# Altium PCB 控制板.PcbDoc (part 9 of 12) (continued)
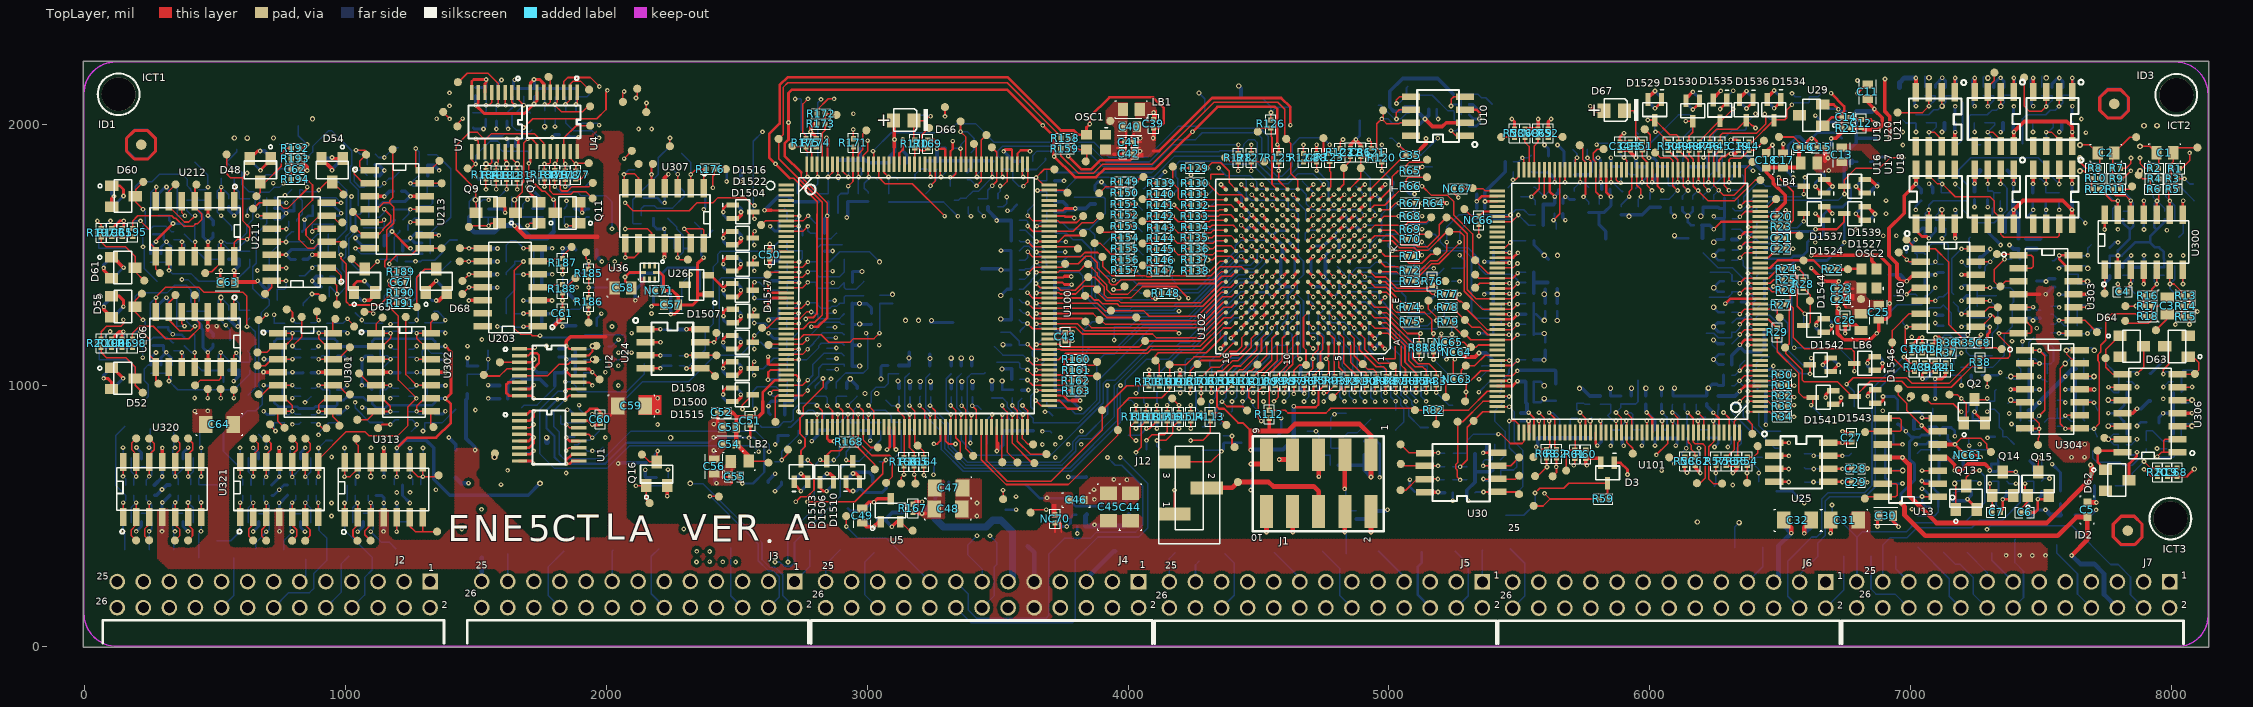
[diagram p0: TopLayer view]
## Nets (pads, with @x,y where several pads share a name; then routed paths per layer and width w, separated by ;. In a path a pad name is that pad's centre, name@x,y a point inside that pad or via, vN(x,y) a via of type N, cw(c..) or ccw(c..) an arc to the next point about the centre after c; other vN are vias at no path point) (continued)
  BottomLayer w6: C287.1@4275.3,1481.3 4310.1,1481.3 pad.211@4318.4,1473
  other v3: 4304.9,1481.9
U102-J16_0: C286.1 R138.2 U102.J16 | length 146.4
  TopLayer w6: R138.2@4274.2,1440.5 4316.3,1440.5 4352.26,1476.46 U102.J16@4374.95,1476.46
  BottomLayer w6: C286.1@4275.3,1439.6 4304.8,1439.6 v1(4305.7,1440.5)
U102-K1_0: pad.211@5184.9,1514.8 R71.2 U102.K1 | length 267.1
  TopLayer w6: U102.K1@4965.5,1515.83 4966.17,1515.83 4986.5,1495.5 R71.2@5066.4,1495.5 5066.4,1479.5 5076.9,1469 5126.3,1469 5160.5,1503.2 5173.3,1503.2 pad.211@5184.9,1514.8
U102-K2_0: pad.178@5177.1,1579 R420.1 U101.108 U102.K2 | length 821.3
  TopLayer w6: U102.K2@4926.13,1515.83 v1(4946.5,1535) ; U101.108@5415.2,1372.04 5474.74,1372.04 v1(5494,1391.3)
  BottomLayer w6: v1(4946.5,1535) 4991.5,1580 5175.7,1580 5196.9,1558.8 5196.9,1550.5 5218.6,1528.8 5302.3,1528.8 5346.5,1484.6 5346.5,1450.9 5371.1,1426.3 5471.1,1426.3 5494,1403.4 5494,1392.9 5496.1,1395 R420.1@5525.3,1395
U102-K3_0: pad.195@5350.3,1305 R427.2 U101.111 U102.K3 | length 861.9
  TopLayer w6: U102.K3@4886.76,1515.83 v1(4907.6,1535) ; U101.111@5415.2,1312.99 v1(5462.1,1313)
  MidLayer2 w6: v1(4907.6,1535) 4912,1535 4934,1513 4954.6,1513 5138.4,1329.2 5205.5,1329.2 5221.7,1313 v1(5462.1,1313)
  BottomLayer w6: pad.195@5350.3,1305 5365.7,1289.6 5425.3,1289.6 5431.5,1295.8 R427.2@5431.5,1314.6 5460.5,1314.6 v1(5462.1,1313)
U102-K4_0: C8.1 pad.285@7349.9,1140 R35.1 U102.K4 | length 3036.7
  TopLayer w6: U102.K4@4847.39,1515.83 v1(4867.6,1535.3) ; R35.1@7225.7,1165 C8.1@7264,1165 ; v1(7270.3,1195) 7264,1188.7 7264,1151.7 7270.2,1145.5 7329.4,1145.5 7334.9,1140 pad.285@7349.9,1140
  MidLayer2 w6: v1(4867.6,1535.3) 4890.6,1512.3 4914.5,1512.3 4926.1,1500.7 4926.1,1490.5 5095.9,1320.7 5095.9,1288.1 5116.5,1267.5 5398.2,1267.5 5451.1,1214.6 6042.4,1214.6 6175.3,1081.7 6448.2,1081.7 6492,1125.5 6885,1125.5 7000.9,1009.6 7127.4,1009.6 7161.2,1043.4 7246.9,1043.4 7270.3,1066.8 v1(7270.3,1195)
U102-K5_0: pad.364 R371.1 U102.K5 | length 1952.2
  TopLayer w6: U102.K5@4808.02,1515.83 v1(4828.4,1535.3)
  MidLayer2 w6: v1(4828.4,1535.3) 4849.6,1514.1 4849.6,1484.7 4867.2,1467.1 4914.5,1467.1 5072.1,1309.5 5072.1,1224.2 5131.3,1165 5948.3,1165 6116.5,996.8 6116.5,834.9 6189,762.4 v1(6189,759.4)
  BottomLayer w6: pad.364@6183.8,724.8 6189,730 v1(6189,759.4) 6184,764.4 R371.1@6184,798.8
U102-K6_0: pad.257@5778.6,878.4 R376.2 U101.147 U102.K6 | length 1514.4
  TopLayer w6: U102.K6@4768.65,1515.83 v1(4789.4,1535) ; v3(5771.9,864.6) 5773.74,862.76 U101.147@5773.74,819.9
  MidLayer2 w6: v1(4789.4,1535) 4767.4,1513 4767.4,1471 4808,1430.4 4808,1410.7 4823.9,1394.8 4837.8,1394.8 4845.7,1386.9 4845.7,1374.2 4860.7,1359.2 4874.7,1359.2 4887.1,1346.8 4887.1,1329 4900.4,1315.7 4914.6,1315.7 4971.5,1258.8 4971.5,1224.6 5113.1,1083 5388.2,1083 5432,1039.2 5618.6,1039.2 5771.9,885.9 v3(5771.9,864.6)
  BottomLayer w6: R376.2@5774.9,830 5774.9,874.7 pad.257@5778.6,878.4
U102-K11_0: pad.212@4104.4,1384.6 R470.1 U102.K11 | length 688.2
  TopLayer w6: v1(4552.8,1535.5) U102.K11@4571.8,1515.83
  BottomLayer w6: R470.1@4004.4,1403.4 4019.4,1403.4 4038.2,1384.6 4152.8,1384.6 4168.2,1369.2 4265.7,1369.2 4411.5,1515 4411.5,1535.8 4432,1556.3 4532,1556.3 v1(4552.8,1535.5)
U102-K12_0: pad.115@3881.1,1245 R161.1 U102.K12 | length 1052.5
  TopLayer w6: R161.1@3817.4,1058.4 3843.4,1058.4 v1(3843.8,1058) ; v1(4513.2,1535.3) U102.K12@4532.43,1515.83
  BottomLayer w6: v1(3843.8,1058) 3842.7,1058 3826.3,1074.4 3826.3,1208.8 3862.5,1245 3880.6,1245 3892.3,1256.7 4022.4,1256.7 4030.1,1264.4 4230.3,1264.4 4427,1461.1 4469.2,1461.1 4495.7,1487.6 4495.7,1517.8 v1(4513.2,1535.3)
U102-K13_0: pad.214@4151.5,1346.7 R469.1 U102.K13 | length 577.1
  TopLayer w6: v1(4473.8,1535) U102.K13@4493.06,1515.83
  BottomLayer w6: R469.1@4009.4,1365 4036.2,1365 4046.6,1354.6 4119.1,1354.6 4127,1346.7 4177.3,1346.7 4185.6,1355 4269,1355 4429.5,1515.5 4454.3,1515.5 v1(4473.8,1535)
U102-K14_0: C305.2 pad.213@4182.1,1394.8 R147.2 U102.K14 | length 458.5
  TopLayer w6: R147.2@4141.3,1440.3 4166.1,1440.3 v1(4168.6,1437.8) ; v1(4434.4,1534.8) U102.K14@4453.69,1515.83
  MidLayer2 w6: v1(4168.6,1437.8) 4194.3,1412.1 4235.2,1412.1 4281.9,1458.8 4337.8,1458.8 4413.8,1534.8 v1(4434.4,1534.8)
  BottomLayer w6: C305.2@4142.3,1440 4166.4,1440 4169.9,1436.5 4169.9,1407 pad.213@4182.1,1394.8
U102-K15_0: C288.1 pad.210@4317.1,1523 R136.2 U102.K15 | length 198.5
  TopLayer w6: R136.2@4273.1,1524.2 4325.5,1524.2 4337,1535.7 4394.45,1535.7 U102.K15@4414.32,1515.83
  BottomLayer w6: C288.1@4273,1523.4 4316.7,1523.4 pad.210@4317.1,1523
  other v3: 4301.9,1524
U102-K16_0: C307.2 R145.2 U102.K16 | length 276.3
  TopLayer w6: R145.2@4141.3,1522.1 4171.6,1522.1 4191.6,1502.1 4325.4,1502.1 4339.13,1515.83 U102.K16@4374.95,1515.83
  BottomLayer w6: C307.2@4142.7,1521.5 4170.5,1521.5 v1(4171.1,1522.1)
U102-L1_0: pad.209@5231.5,1590 R418.1 U101.112 U102.L1 | length 859.9
  TopLayer w6: U102.L1@4965.5,1555.2 5013.5,1555.2 5040.3,1528.4 5097.3,1528.4 5107.5,1518.2 5150.5,1518.2 5222.3,1590 5272.2,1590 5289,1573.2 5289,1361.9 5357.6,1293.3 5474.6,1293.3 v1(5493.4,1312.1)
  BottomLayer w6: v1(5493.4,1312.1) 5495.7,1314.4 R418.1@5524.9,1314.4
U102-L2_0: pad.207@5221.1,1644.6 R419.1 U101.110 U102.L2 | length 956.9
  TopLayer w6: U102.L2@4926.13,1555.2 4945.53,1574.6 5013.4,1574.6 5048,1540 5103.6,1540 5111.1,1532.5 5148,1532.5 5193,1577.5 5193,1616.5 5219.7,1643.2 5239.2,1643.2 5300.3,1582.1 5300.3,1366.9 5334.53,1332.67 5474.37,1332.67 v1(5493.4,1351.7)
  BottomLayer w6: v1(5493.4,1351.7) 5495.7,1354 R419.1@5525.3,1354
U102-L3_0: pad.214@5331.1,1425 R421.1 U101.106 U102.L3 | length 938.4
  TopLayer w6: U102.L3@4886.76,1555.2 v1(4907.6,1574.6) ; pad.214@5331.1,1425 5344.69,1411.41 5474.71,1411.41 v1(5494,1430.7)
  MidLayer2 w6: v1(4907.6,1574.6) 4949.3,1574.6 4975.7,1548.2 4975.7,1527.5 5067.3,1435.9 5127.1,1435.9 5155.2,1407.8 5238.4,1407.8 5264.9,1381.3 5412.6,1381.3 5441.8,1410.5 5476.9,1410.5 5494,1427.6 v1(5494,1430.7)
  BottomLayer w6: v1(5494,1430.7) 5497.9,1434.6 R421.1@5524.9,1434.6
U102-L4_0: R428.2 U101.109 U102.L4 | length 1023.9
  TopLayer w6: U102.L4@4847.39,1555.2 v1(4868.4,1575) ; U101.109@5415.2,1352.36 v1@5461.64,1352.36
  MidLayer2 w6: v1(4868.4,1575) 4882.9,1575 4899.6,1591.7 4965.3,1591.7 5076.1,1480.9 5300.3,1480.9 5345.9,1526.5 5502.8,1526.5 5513,1516.3 5513,1383.8 5502.4,1373.2 5486.1,1373.2 5465,1352.1 v1(5461.9,1352.1)
  BottomLayer w6: R428.2@5431.5,1354.4 5459.6,1354.4 v1(5461.9,1352.1)
U102-L5_0: pad.215@5331.1,1375 R429.2 U101.107 U102.L5 | length 937.1
  TopLayer w6: U102.L5@4808.02,1555.2 v1(4829.4,1574.2) ; pad.215@5331.1,1375 5348.2,1392.1 v1(5461.9,1392.1)
  MidLayer2 w6: v1(4829.4,1574.2) 4851.9,1551.7 4953.6,1551.7 4963.4,1541.9 4963.4,1522.2 5062,1423.6 5122.1,1423.6 5151.5,1394.2 5231.5,1394.2 5255.4,1370.3 5443,1370.3 5461.9,1389.2 v1(5461.9,1392.1)
  BottomLayer w6: R429.2@5431.5,1394.6 5459.4,1394.6 v1(5461.9,1392.1)
U102-L7_0: C283.2 pad.239@4158.6,960 R116.2 U102.L7 | length 1256
  TopLayer w6: R116.2@4150.1,895.4 v1(4150.1,924.8) ; U102.L7@4729.28,1555.2 v1(4749.2,1574.4)
  MidLayer2 w6: v1(4150.1,924.8) 4167.6,942.3 4205.7,942.3 4219.4,928.6 4219.4,922.2 4233,908.6 4249.7,908.6 4261.9,920.8 4261.9,979.8 4342.1,1060 4414.6,1060 4499.9,1145.3 4625.6,1145.3 4650.7,1170.4 4650.7,1233.4 4670.1,1252.8 4670.1,1338 4685.7,1353.6 4685.7,1540.7 4697.1,1552.1 4726.9,1552.1 v1(4749.2,1574.4)
  BottomLayer w6: C283.2@4151.1,895 4151.1,925.8 4158.6,933.3 pad.239@4158.6,960
U102-L8_0: C285.2 pad.138@4060.7,955.9 R118.2 U102.L8 | length 1232.7
  TopLayer w6: R118.2@4070.1,895.4 4070.1,923.8 v1(4071.3,925) ; U102.L8@4689.91,1555.2 v1(4710.3,1574.4)
  MidLayer2 w6: v1(4071.3,925) 4092.3,904 4115.5,904 4130.1,918.6 4130.1,930.3 4320.3,1120.5 4427,1120.5 4491.1,1184.6 4590.7,1184.6 4609.4,1203.3 4609.4,1228.7 4619.9,1239.2 4638.6,1239.2 4650.7,1251.3 4650.7,1349.3 4670.7,1369.3 4670.7,1547.9 4697.2,1574.4 v1(4710.3,1574.4)
  BottomLayer w6: pad.138@4060.7,955.9 4060.7,935.5 4071.1,925.1 C285.2@4071.1,894.8
U102-L9_0: pad.123@3452.4,1049.2 R515.2 U100.77 U102.L9 | length 2032.5
  TopLayer w6: U100.77@3398.32,840.8 3398.32,885.12 v1(3399.9,886.7) ; v1(4631.9,1574.2) U102.L9@4650.54,1555.2
  MidLayer2 w6: v1(3399.9,886.7) 3427.6,859 3890,859 4021.1,990.1 4021.1,1025.2 4163.9,1168 4215.7,1168 4244.8,1197.1 4304,1197.1 4346.3,1239.4 4517.5,1239.4 4531.3,1253.2 4531.3,1266.3 4543.2,1278.2 4563.4,1278.2 4571.5,1286.3 4571.5,1303.1 4583.9,1315.5 4603.4,1315.5 4612.1,1324.2 4612.1,1432.3 4656.9,1477.1 4656.9,1549.2 v1(4631.9,1574.2)
  BottomLayer w6: v1(3399.9,886.7) 3384,902.6 3384,1029.6 R515.2@3400.3,1045.9 3449.1,1045.9 pad.123@3452.4,1049.2
U102-L10_0: pad.134@3350.7,729.6 R514.2 U100.74 U102.L10 | length 1858.2
  TopLayer w6: v1(3319.9,923.6) 3339.27,904.23 3339.27,799.53 3356.3,782.5 3356.3,735.2 pad.134@3350.7,729.6 ; v1(4591.3,1574.2) U102.L10@4611.17,1555.2
  MidLayer2 w6: v1(3319.9,923.6) 3319.9,924.6 3372.4,977.1 3516.5,977.1 3579.9,1040.5 3691.7,1040.5 3726.7,1075.5 3795.9,1075.5 4083.8,1363.4 4283.2,1363.4 4391.9,1472.1 4561.9,1472.1 4570.7,1480.9 4570.7,1538.8 4591.3,1559.4 v1(4591.3,1574.2)
  BottomLayer w6: v1@3319.4,923.8 3322.8,927.2 R514.2@3322.8,957.6
U102-L12_0: C314.2 pad.113@4054.6,1415.9 R157.2 U102.L12 | length 660.1
  TopLayer w6: R157.2@4004.6,1441.3 4029.9,1441.3 v1(4030.7,1440.5) ; v1(4513.6,1574.8) U102.L12@4532.43,1555.2
  MidLayer2 w4: v1(4030.7,1440.5) 4051.7,1440.5 4074.8,1463.6 4183.6,1463.6 4191.9,1455.3 4242.4,1455.3 4285.9,1498.8 4360.5,1498.8 4413.8,1552.1 4490.9,1552.1 v1(4513.6,1574.8)
  BottomLayer w6: C314.2@4004,1441.3 4029.2,1441.3 pad.113@4054.6,1415.9
U102-L13_0: C315.2 pad.159@3871.5,1546.1 R156.2 U102.L13 | length 741.6
  TopLayer w6: pad.159@3871.5,1546.1 3892.6,1546.1 3935.5,1503.2 3999.5,1503.2 4004.4,1498.3 R156.2@4004.4,1483.2 4004.8,1482.8 v1(4029.9,1482.8) ; v1(4473.4,1574.4) U102.L13@4493.06,1555.2
  MidLayer2 w4: 4274.8,1541.3 4366.1,1541.3
  MidLayer2 w6: v1(4029.9,1482.8) 4048,1482.8 4070.9,1505.7 4239.2,1505.7 4274.8,1541.3 ; 4366.1,1541.3 4415.7,1590.9 4449.9,1590.9 4466.4,1574.4 v1(4473.4,1574.4)
  BottomLayer w6: C315.2@4004.4,1483 4029.7,1483 v1(4029.9,1482.8)
U102-L14_0: C306.2 pad.153@4056.3,1460.3 R146.2 U102.L14 | length 502.9
  TopLayer w6: pad.153@4056.3,1460.3 4136.2,1460.3 4141.5,1465.6 R146.2@4141.5,1480.3 4142,1479.8 v1(4171.5,1479.8) ; v1(4434.2,1574.2) U102.L14@4453.69,1555.2
  MidLayer2 w4: v1(4171.5,1479.8) 4184.7,1479.8 4200.5,1464 4231.9,1464 4274.6,1506.7 4350.3,1506.7 4417.8,1574.2 v1(4434.2,1574.2)
  BottomLayer w6: C306.2@4143.1,1479.6 4171.3,1479.6 v1(4171.5,1479.8)
U102-L15_0: C289.1 pad.209@4357.1,1552.8 R135.2 U102.L15 | length 243.4
  TopLayer w6: R135.2@4272.1,1566.3 4321.8,1566.3 4330.5,1575 4394.52,1575 U102.L15@4414.32,1555.2
  BottomLayer w6: C289.1@4273.2,1566.1 4300.8,1566.1 4314.1,1552.8 pad.209@4357.1,1552.8
  other v1: 4301.1,1565.7
U102-L16_0: C308.2 pad.152@4056.1,1545 R144.2 U102.L16 | length 372.9
  TopLayer w6: pad.152@4056.1,1545 4132.1,1545 4141.9,1554.8 R144.2@4141.9,1564.2 4142.1,1564 4171.1,1564 4190.3,1544.8 4325,1544.8 4335.4,1555.2 U102.L16@4374.95,1555.2
  BottomLayer w6: C308.2@4143.3,1564 v1(4171.5,1564)
U102-M1_0: pad.210@5152.4,1579.6 R70.2 U102.M1 | length 216.6
  TopLayer w6: U102.M1@4965.5,1594.57 5023.03,1594.57 5057.6,1560 R70.2@5066.6,1560 5066.6,1572.4 5073.8,1579.6 pad.210@5152.4,1579.6
U102-M2_0: pad.206@5162.4,1645 R69.2 U102.M2 | length 281.4
  TopLayer w6: U102.M2@4926.13,1594.57 4946.86,1615.3 5036.9,1615.3 5052.4,1599.8 R69.2@5066.2,1599.8 5065.7,1600.3 5065.7,1618 5073,1625.3 5142.7,1625.3 pad.206@5162.4,1645
U102-M3_0: C149.2 pad.184@4941.1,1614.6 R318.2 U102.M3 | length 2645.5
  TopLayer w6: U102.M3@4886.76,1594.57 v1(4907.4,1613.8)
  MidLayer2 w6: v1(4907.4,1613.8) 4964,1613.8 5060.3,1517.5 5297.3,1517.5 5330.7,1550.9 5405.9,1550.9 5421.3,1566.3 5857,1566.3 6008.7,1414.6 6586.5,1414.6 6674.8,1326.3 6902.8,1326.3 6945.3,1368.8 7055.7,1368.8 7092.8,1405.9 7124,1405.9 7192.3,1474.2 v1(7196.1,1474.2)
  BottomLayer w6: v1(4907.4,1613.8) 4940.3,1613.8 pad.184@4941.1,1614.6 ; v1(7196.1,1474.2) 7214.4,1455.9 7224.4,1455.9 R318.2@7224.4,1493.8
U102-M6_0: C150.2 pad.326 R326.1 U102.M6 | length 2726.1
  TopLayer w6: U102.M6@4768.65,1594.57 v1(4789.6,1614.2)
  MidLayer2 w6: v1(4789.6,1614.2) 4811.5,1592.3 4879,1592.3 4885.5,1598.8 4885.5,1616.5 4899.5,1630.5 4985.7,1630.5 5085.7,1530.5 5134.1,1530.5 5194.1,1590.5 5877.7,1590.5 6016.9,1451.3 6384.4,1451.3 6403.6,1432.1 6597.4,1432.1 6689.5,1340 6894.4,1340 6936.5,1382.1 7025.7,1382.1 7095.3,1451.7 v1(7095.3,1474.6)
  BottomLayer w6: R326.1@7056.5,1464.2 7084.9,1464.2 7105.3,1484.6 pad.326@7105.3,1509.6 ; v1(7095.3,1474.6) 7105.3,1464.6 C150.2@7126.1,1464.6
U102-M7_0: pad.183@4679.4,1557.5 R393.1 U101.66 U102.M7 | length 1596.7
  TopLayer w6: U102.M7@4729.28,1594.57 v1(4749.9,1613.4) ; v1(5921.5,1724) 5921.5,1744.2 5931.21,1753.91 U101.66@5931.21,1827.6
  MidLayer2 w6: v1(4749.9,1613.4) 4767.8,1631.3 4876.1,1631.3 4886.3,1641.5 4886.3,1659.8 4895.7,1669.2 4985.1,1669.2 5073.4,1580.9 5135.5,1580.9 5170.9,1616.3 5811.1,1616.3 5918.8,1724 v1(5921.5,1724)
  BottomLayer w6: pad.183@4679.4,1557.5 4679.4,1583.4 4691.9,1595.9 4732.4,1595.9 v1(4749.9,1613.4) ; R393.1@5891.1,1685.5 5891.1,1693.6 v1(5921.5,1724)
U102-M8_0: pad.217@5151.5,1325.5 R79.2 U102.M8 | length 861
  TopLayer w6: U102.M8@4689.91,1594.57 v1(4710.5,1614) ; pad.217@5151.5,1325.5 5151.5,1293.8 5182.4,1262.9 5182.4,1247.1 5184.2,1245.3 5211,1245.3 R79.2@5211.2,1245.5
  MidLayer2 w6: v1(4710.5,1614) 4733.8,1590.7 4761.3,1590.7 4767.8,1584.2 4767.8,1558.6 4772.4,1554 4795.4,1554 4806.3,1543.1 4806.3,1480.9 4842.6,1444.6 4902.8,1444.6 5001.9,1345.5 5001.9,1335.5 v1(5037.1,1300.3)
  BottomLayer w6: v1(5037.1,1300.3) 5037.1,1274.1 5082,1229.2 5147.8,1229.2 5168.2,1249.6 v1(5181.9,1249.6)
U102-M9_0: pad.135@3406.5,730 R513.2 U100.76 U102.M9 | length 1923
  TopLayer w6: v1(3362.1,922.5) 3378.64,905.96 3378.64,757.86 pad.135@3406.5,730 ; v1(4631.5,1613.6) U102.M9@4650.54,1594.57
  MidLayer2 w6: v1(3362.1,922.5) 3362.1,922.7 3393.6,954.2 3513.2,954.2 3559.9,1000.9 3670.7,1000.9 3732.3,1062.5 3805.2,1062.5 3819,1076.3 3853.2,1076.3 3869.4,1092.5 3869.4,1123.7 4098.2,1352.5 4295.2,1352.5 4401.3,1458.6 4607.1,1458.6 4612.1,1463.6 4612.1,1594.2 v1(4631.5,1613.6)
  BottomLayer w6: v1(3362.1,922.5) 3363,923.4 R513.2@3363,956.8
U102-M10_0: pad.120@3487.1,1149.4 R475.2 U100.97 U102.M10 | length 1595.6
  TopLayer w6: v1(3615.1,1100) 3635.28,1079.82 U100.97@3697.8,1079.82 ; v1(4592.4,1613.8) U102.M10@4611.17,1594.57
  MidLayer2 w6: v1(3615.1,1100) 3615.1,1097.5 3630.5,1082.1 3716.3,1082.1 3722.2,1088 3790.5,1088 4077.1,1374.6 4274,1374.6 4412.8,1513.4 4524,1513.4 4533,1522.4 4533,1544.7 4540.8,1552.5 4564,1552.5 4573.6,1562.1 4573.6,1595 v1(4592.4,1613.8)
  BottomLayer w6: pad.120@3487.1,1149.4 3488,1149.4 3520.7,1116.7 3597.4,1116.7 3634.5,1079.6 3664.8,1079.6 3683.2,1098 R475.2@3689.5,1098
U102-M11_0: C317.2 pad.154@3892.4,1596.7 R154.2 U102.M11 | length 802.2
  TopLayer w6: pad.154@3892.4,1596.7 3900.7,1588.4 3998.2,1588.4 4004,1582.6 4004,1567.7 4004.6,1567.1 v1(4029.4,1567.1) ; v1(4552.8,1613.8) U102.M11@4571.8,1594.57
  MidLayer2 w4: v1(4029.4,1567.1) 4043.6,1567.1 4065.9,1589.4 4191.8,1589.4 4200.1,1581.1 4370.1,1581.1 4420.1,1631.1 4441.9,1631.1 4453.8,1619.2 4453.8,1605.1 4468,1590.9 4529.9,1590.9 v1(4552.8,1613.8)
  BottomLayer w6: C317.2@4004.6,1566.9 4029.7,1566.9 v1@4030.3,1566.3
U102-M14_0: C316.2 pad.112@4057.6,1500.7 R155.2 U102.M14 | length 557.4
  TopLayer w6: R155.2@4004.4,1525 4029.5,1525 v1(4029.9,1524.6) ; v1(4434,1614.4) U102.M14@4453.69,1594.57
  MidLayer2 w4: v1(4029.9,1524.6) 4044.9,1524.6 4069.9,1549.6 4354,1549.6 4406.1,1601.7 4421.3,1601.7 v1(4434,1614.4)
  BottomLayer w6: C316.2@4005,1524.6 4033.7,1524.6 pad.112@4057.6,1500.7
U102-M15_0: C290.1 pad.208@4335.7,1598.6 R134.2 U102.M15 | length 224.6
  TopLayer w6: R134.2@4272.7,1607.8 4315.3,1607.8 4322.5,1615 4403.1,1615 4414.32,1603.78 U102.M15@4414.32,1594.57
  BottomLayer w6: C290.1@4273.2,1607.5 4297.3,1607.5 4306,1598.8 4335.5,1598.8 pad.208@4335.7,1598.6
  other v1: 4297.8,1608
U102-M16_0: C309.2 R143.2 U102.M16 | length 272.8
  TopLayer w6: R143.2@4142.1,1605.7 4172.1,1605.7 4191.5,1586.3 4318.4,1586.3 4326.67,1594.57 U102.M16@4374.95,1594.57
  BottomLayer w6: C309.2@4143.3,1605.7 4171.5,1605.7 v1(4171.7,1605.5)
U102-N1_0: C261.2 pad.177@5171.3,1647.1 R68.2 U102.N1 | length 269.7
  TopLayer w6: U102.N1@4965.5,1633.94 4980.96,1649.4 R68.2@5066.4,1649.4
  BottomLayer w6: v1(5037.4,1649.6) 5065.7,1649.6 5065.7,1640.4 5085.6,1620.5 5144.7,1620.5 pad.177@5171.3,1647.1
U102-N2_0: pad.155@4902.4,1822.5 R392.1 U101.65 U102.N2 | length 1488.5
  TopLayer w6: U102.N2@4926.13,1633.94 v1(4946.9,1653) ; U101.65@5950.9,1827.6 5950.9,1767.8 5966.5,1752.2 v1(5966.5,1723.8)
  MidLayer2 w6: v1(4946.9,1653) 4982.3,1653 5067.3,1568 5139.1,1568 5173.6,1602.5 5841.9,1602.5 5963.2,1723.8 v1(5966.5,1723.8)
  BottomLayer w6: pad.155@4902.4,1822.5 4928.2,1796.7 4928.2,1683.8 4946.9,1665.1 v1(4946.9,1653) ; R392.1@5955.7,1685.5 5955.7,1713 v1(5966.5,1723.8)
U102-N3_0: pad.143@3456.9,1960.5 R527.2 U100.142 U102.N3 | length 2001.3
  TopLayer w6: v1(3419.4,1765.5) 3437.69,1783.79 U100.142@3437.69,1848.5 3437.69,1941.29 pad.143@3456.9,1960.5 ; U102.N3@4886.76,1633.94 v1(4907.4,1652.8)
  MidLayer2 w6: v1(3419.4,1765.5) 3401.9,1783 3401.9,1808.4 3439,1845.5 3786.2,1845.5 3804.6,1827.1 4106.3,1827.1 4125.5,1846.3 4258.8,1846.3 4291.9,1813.2 4326.8,1813.2 v1(4347.4,1833.8)
  BottomLayer w6: R527.2@3383.6,1788.8 3396.1,1788.8 v1(3419.4,1765.5) ; v1(4347.4,1833.8) 4376.4,1804.8 4469.5,1804.8 4494.2,1780.1 4494.2,1759.6 4501.7,1752.1 4664.1,1752.1 4682.6,1733.6 4682.6,1696.8 4704.6,1674.8 4885.4,1674.8 v1(4907.4,1652.8)
U102-N6_0: pad.248@5731.9,1921.3 R395.1 U101.75 U102.N6 | length 1370.4
  TopLayer w6: U102.N6@4768.65,1633.94 v1(4789,1653.2) ; pad.248@5731.9,1921.3 5743,1910.2 5743,1866.7 5754.05,1855.65 5754.05,1731.15 v1(5746.5,1723.6)
  MidLayer2 w6: v1(4789,1653.2) 4803.2,1653.2 4820.3,1670.3 4836.5,1670.3 4849.9,1683.7 4849.9,1705.1 4856.3,1711.5 4881.5,1711.5 4886.9,1716.9 4886.9,1736.9 4897.8,1747.8 4954.8,1747.8 4986.7,1715.9 5051.7,1715.9 5069.2,1698.4 5099.2,1698.4 5118.3,1717.5 5155.4,1717.5 5185.2,1747.3 5383.9,1747.3 5421.8,1709.4 5517.8,1709.4 5532.8,1694.4 5717.1,1694.4 5746.3,1723.6 v1(5746.5,1723.6)
  BottomLayer w6: v1(5746.5,1723.6) 5766.1,1704 R395.1@5766.1,1695
U102-N7_0: pad.168@5457.1,1758.8 R411.2 U101.88 U102.N7 | length 1050.9
  TopLayer w6: U102.N7@4729.28,1633.94 v1(4749.9,1652.8) ; v1(5476.3,1788.6) 5485,1788.6 5498.14,1801.74 U101.88@5498.14,1827.6
  MidLayer2 w6: v1(4749.9,1652.8) 4762.2,1652.8 4780.9,1671.5 4799.4,1671.5 4810.3,1682.4 4810.3,1787 4864.2,1840.9 5104.9,1840.9 5122,1858 5373.1,1858 5442.5,1788.6 v1(5476.3,1788.6)
  BottomLayer w6: pad.168@5457.1,1758.8 5477.3,1779 R411.2@5477.3,1818.8
U102-N8_0: pad.140@3298.2,2067.5 R530.2 U100.150 U102.N8 | length 2127.2
  TopLayer w6: U100.150@3280.21,1848.5 3280.21,1802.59 v1(3283.2,1799.6) ; v1(3298.2,2032.1) pad.140@3298.2,2067.5 ; U102.N8@4689.91,1633.94 v1(4710.1,1653)
  MidLayer2 w6: v1(3298.2,2032.1) 3342.8,2076.7 4104.5,2076.7 4154.5,2026.7 4444.6,2026.7 4475,1996.3 4585,1996.3 4641.7,1939.6 4641.7,1892.2 4674.6,1859.3 4674.6,1681.3 4702.9,1653 v1(4710.1,1653)
  MidLayer3 w6: v1(3283.2,1799.6) 3298.2,1814.6 v1(3298.2,2032.1)
  BottomLayer w6: v1(3283.2,1799.6) 3305.7,1822.1 R530.2@3305.7,1827.6
U102-N9_0: pad.75@2923.2,1944.2 R585.1 U100.165 U102.N9 | length 2272.3
  TopLayer w6: U100.165@2984.93,1848.5 2984.93,1882.03 3001.9,1899 v1(3001.9,1938.8) ; v1(4631.5,1653.2) U102.N9@4650.54,1633.94
  MidLayer2 w6: v1(3001.9,1938.8) 3017.7,1923 3224.3,1923 3365.7,2064.4 4056.3,2064.4 4105.7,2015 4420.1,2015 4453.2,1981.9 4579.2,1981.9 4625.1,1936 4625.1,1886.2 4661.9,1849.4 4661.9,1658.3 4656.8,1653.2 v1(4631.5,1653.2)
  BottomLayer w6: pad.75@2923.2,1944.2 2969,1944.2 2974.4,1938.8 v1(3001.9,1938.8)
U102-N10_0: pad.87@2890.7,1785.5 R587.2 U100.170 U102.N10 | length 2341.1
  TopLayer w6: U100.170@2886.51,1848.5 2886.51,1802.09 v3(2889,1799.6) ; v1(4591.9,1653.4) U102.N10@4611.17,1633.94
  MidLayer2 w6: v3(2889,1799.6) 2943.2,1853.8 3171.5,1853.8 3369.8,2052.1 4050.9,2052.1 4100.5,2002.5 4382,2002.5 4418.8,1965.7 4575.9,1965.7 4613.2,1928.4 4613.2,1877.5 4649.9,1840.8 4649.9,1676.9 4644.1,1671.1 4617.2,1671.1 4599.5,1653.4 v1(4591.9,1653.4)
  BottomLayer w6: R587.2@2888.2,1833.8 2888.2,1788 pad.87@2890.7,1785.5
U102-N14_0: C318.2 pad.111@4053.6,1590 R153.2 U102.N14 | length 539.3
  TopLayer w6: R153.2@4003.3,1611.1 4028.8,1611.1 v1(4029.4,1611.7) ; v1(4434.4,1653) U102.N14@4453.69,1633.94
  MidLayer2 w6: v1(4029.4,1611.7) 4044.6,1611.7 4064,1631.1 4194.2,1631.1 4200.7,1624.6 4383.2,1624.6 4411.6,1653 v1(4434.4,1653)
  BottomLayer w6: C318.2@4003.8,1610.7 4032.9,1610.7 pad.111@4053.6,1590
U102-N15_0: C300.2 pad.207@4333.4,1652.4 R133.2 U102.N15 | length 213.3
  TopLayer w6: R133.2@4272.1,1649.6 4347.5,1649.6 4352.5,1654.6 4393.66,1654.6 U102.N15@4414.32,1633.94
  BottomLayer w6: C300.2@4274.2,1649.4 4299.6,1649.4 4302.6,1652.4 pad.207@4333.4,1652.4
  other v1: 4299,1649.6
U102-N16_0: C310.2 pad.151@4055.3,1630 R142.2 U102.N16 | length 372.6
  TopLayer w6: pad.151@4055.3,1630 4132.1,1630 4141.9,1639.8 R142.2@4141.9,1648.8 v1(4171.5,1648.8) 4192.8,1627.5 4310,1627.5 4316.44,1633.94 U102.N16@4374.95,1633.94
  BottomLayer w6: C310.2@4143.1,1648.8 v1(4171.5,1648.8)
U102-P1_0: C262.2 pad.179@5002.8,1629.2 R67.2 U102.P1 | length 226.5
  TopLayer w6: U102.P1@4965.5,1673.31 4999.81,1673.31 5026.1,1699.6 R67.2@5066.6,1699.6
  BottomLayer w6: pad.179@5002.8,1629.2 5002.8,1665.1 5037.7,1700 C262.2@5067,1700
  other v1: 5037.8,1699.4
U102-P2_0: pad.205@5145.7,1798.8 R66.2 U102.P2 | length 281.5
  TopLayer w6: U102.P2@4926.13,1673.31 4943.72,1690.9 4983.9,1690.9 5067.4,1774.4 5067.4,1791.4 5074.8,1798.8 pad.205@5145.7,1798.8
U102-P4_0: pad.249@5823.6,1906.3 R394.1 U101.73 U102.P4 | length 1321.8
  TopLayer w6: U102.P4@4847.39,1673.31 v1(4868.4,1692.5) ; v1(5812.4,1723.6) 5793.42,1742.58 U101.73@5793.42,1827.6 5793.42,1857.38 5783.2,1867.6 5783.2,1890.7 5798.8,1906.3 pad.249@5823.6,1906.3
  MidLayer2 w6: v1(4868.4,1692.5) 4881.7,1692.5 4898.6,1709.4 4914.9,1709.4 4939.9,1684.4 4997.6,1684.4 5015.7,1666.3 5269.9,1666.3 5325.9,1722.3 5375.9,1722.3 5413.8,1684.4 5508.6,1684.4 5523.2,1669.8 5757.7,1669.8 5811.5,1723.6 v1(5812.4,1723.6)
  BottomLayer w6: R394.1@5806.1,1695 5806.1,1717.3 v1(5812.4,1723.6)
U102-P5_0: pad.166@5556.3,1759.8 R406.1 U101.83 U102.P5 | length 1118.9
  TopLayer w6: U102.P5@4808.02,1673.31 v1(4829.2,1692.1) ; v1(5596.5,1723.6) 5596.57,1723.67 U101.83@5596.57,1827.6
  MidLayer2 w6: v1(4829.2,1692.1) 4829.2,1703.4 4848.8,1723 4848.8,1778.1 4874.9,1804.2 4920.5,1804.2 4937.2,1787.5 5021.7,1787.5 5030.7,1796.5 5384,1796.5 5435.7,1744.8 5551.8,1744.8 5573,1723.6 v1(5596.5,1723.6)
  BottomLayer w6: pad.166@5556.3,1759.8 5560.3,1759.8 v1(5596.5,1723.6) 5596.5,1726.7 R406.1@5621.1,1751.3
U102-P6_0: C38.1 pad.153@4728.6,1863 R124.2 U102.P6 | length 312.8
  TopLayer w6: R124.2@4672.6,1858.2 4721.3,1858.2 4723.2,1856.3 v1(4723.2,1824) ; U102.P6@4768.65,1673.31 v1(4789.9,1692.3)
  BottomLayer w6: pad.153@4728.6,1863 4723.2,1857.6 4723.2,1825 4768.6,1779.6 4768.6,1713.6 v1(4789.9,1692.3)
U102-P7_0: pad.163@5706.1,1903.8 R403.1 U101.77 U102.P7 | length 1285.9
  TopLayer w6: U102.P7@4729.28,1673.31 v1(4749.9,1692.5) ; U101.77@5714.68,1827.6 5714.68,1866.58 v1(5721.5,1873.4)
  MidLayer2 w6: v1(4749.9,1692.5) 4768.8,1711.4 4768.8,1736.3 4781.1,1748.6 4781.1,1800 4846.6,1865.5 5094.5,1865.5 5112.4,1883.4 5384,1883.4 5435.7,1831.7 5680.7,1831.7 5721.5,1872.5 v1(5721.5,1873.4)
  BottomLayer w6: pad.163@5706.1,1903.8 5721.5,1888.4 v1(5721.5,1873.4) 5711.9,1863.8 R403.1@5711.9,1839.6
U102-P8_0: pad.172@5886.1,1902.3 R398.2 U101.67 U102.P8 | length 1637.4
  TopLayer w6: U102.P8@4689.91,1673.31 v1(4710.3,1692.5) ; v1(5901.5,1873.6) 5911.53,1863.57 U101.67@5911.53,1827.6
  MidLayer2 w6: v1(4710.3,1692.5) 4686.9,1715.9 4686.9,1770 4691.9,1775 4691.9,1842.5 4751.5,1902.1 5071.1,1902.1 5093.6,1924.6 5407.8,1924.6 5428.6,1903.8 5869.5,1903.8 5899.7,1873.6 v1(5901.5,1873.6)
  BottomLayer w6: pad.172@5886.1,1902.3 5886.1,1888.8 5915.7,1859.2 5915.7,1815.9 5923.6,1808 R398.2@5946.5,1808
U102-P9_0: C320.2 pad.81@4055.3,1673 R151.2 U102.P9 | length 797.6
  TopLayer w6: R151.2@4003.8,1695.5 4028.6,1695.5 v1(4029,1695.9) ; v1(4632.1,1691.9) U102.P9@4650.54,1673.31
  MidLayer2 w4: v1(4029,1695.9) 4045.1,1695.9 4064.5,1715.3 4201.2,1715.3 4209.2,1707.3 4222.8,1707.3 4264.2,1665.9 4358.9,1665.9 4401,1708 4444,1708 4454.6,1697.4 4454.6,1677.6 4461.3,1670.9 4599.2,1670.9 4620.2,1691.9 v1(4632.1,1691.9)
  BottomLayer w6: C320.2@4003.6,1696.3 4032,1696.3 pad.81@4055.3,1673
U102-P10_0: pad.141@3357.8,2013 R528.1 U100.145 U102.P10 | length 1844.9
  TopLayer w6: pad.141@3357.8,2013 3357.8,1973.4 3378.64,1952.57 U100.145@3378.64,1848.5 ; v1(4591.9,1692.1) U102.P10@4611.17,1673.31
  MidLayer2 w6: v1(3358,1973.2) 3408.6,2023.8 4036.3,2023.8 4088,1972.1 4185.9,1972.1 4217.1,1940.9 4535.1,1940.9 4546.9,1929.1 4546.9,1896.7 4611.3,1832.3 4611.3,1705.9 4597.5,1692.1 v1(4591.9,1692.1)
  BottomLayer w6: v1(3358,1973.2) 3384.2,1973.2 3409.4,1948 3409.4,1903.8 R528.1@3399,1893.4